# KiCad board haptic display 8x8 aisler.kicad_pcb (continued)
## Routing (per net, layer and track width the routed paths; a pad name or vN(x,y) marks a point on that pad's centre or on a via; arc(x,y) is an arc through that point) (continued)
110.61,84.02 110.3,84.06 110,84.08 109.7,84.07 109.39,84.04 109.09,83.98 108.8,83.91 108.51,83.81 108.22,83.69 107.95,83.55 107.69,83.39 107.44,83.21 107.21,83.01 106.99,82.79 106.79,82.56 106.6,82.32 106.43,82.06 106.29,81.79 106.16,81.51 106.06,81.22 105.97,80.92 105.91,80.62 105.88,80.31 105.86,80 105.87,79.69 105.9,79.38 105.96,79.08 106.03,78.78 106.13,78.48 106.26,78.2 106.4,77.92 106.56,77.66 106.74,77.4 106.95,77.17 107.16,76.94 107.4,76.74 107.65,76.55 107.91,76.38 108.19,76.23 108.47,76.1 108.77,76 109.07,75.91 109.37,75.85 109.69,75.81 110,75.8 110.3,75.81 110.6,75.84 110.89,75.89 111.19,75.96 111.47,76.05 111.75,76.16 112.02,76.3 112.28,76.45 112.53,76.62 112.77,76.8 112.99,77.01 113.2,77.23 113.39,77.46 113.57,77.71 113.72,77.97 113.86,78.24 113.98,78.52 114.08,78.8 114.16,79.1 114.21,79.39 114.25,79.7 114.26,80 114.25,80.3 114.22,80.61 114.17,80.91 114.1,81.2 114.01,81.49 113.89,81.78 113.76,82.05 113.6,82.32 113.43,82.57 113.24,82.81 113.04,83.04 112.81,83.25 112.58,83.44 112.33,83.62 112.06,83.78 111.79,83.92 111.51,84.04 111.22,84.14 110.92,84.22 110.61,84.28 110.31,84.31 110,84.33 109.69,84.32 109.38,84.29 109.08,84.23 108.78,84.16 108.48,84.07 108.2,83.95 107.92,83.81 107.65,83.66 107.39,83.48 107.15,83.29 106.92,83.08 106.71,82.85 106.51,82.61 106.33,82.36 106.17,82.09 106.02,81.82 105.9,81.53 105.8,81.23 105.72,80.93 105.66,80.62 105.63,80.31 105.61,80 105.62,79.69 105.65,79.37 105.7,79.07 105.78,78.76 105.88,78.46 105.99,78.17 106.13,77.89 106.29,77.62 106.47,77.36 106.66,77.11 106.88,76.88 107.1,76.66 107.35,76.46 107.61,76.28 107.88,76.11 108.16,75.97 108.45,75.84 108.75,75.74 109.06,75.66 109.37,75.6 109.68,75.56 110,75.55 111.45,75.55 ; 110.41,63.98 110.36,63.96 110,63.6 110,63.55 110.21,63.56 110.41,63.6 110.61,63.67 110.8,63.76 110.97,63.88 111.12,64.03 111.25,64.19 111.36,64.38 111.44,64.58 111.49,64.79 111.51,65 111.5,65.22 111.46,65.43 111.39,65.64 111.29,65.83 111.16,66.01 111.01,66.17 110.84,66.31 110.65,66.42 110.44,66.5 110.22,66.55 110,66.58 109.78,66.56 109.55,66.52 109.34,66.45 109.14,66.34 108.95,66.21 108.78,66.05 108.64,65.87 108.53,65.67 108.44,65.46 108.38,65.23 108.36,65 108.37,64.77 108.42,64.54 108.49,64.31 108.6,64.1 108.74,63.91 108.91,63.74 109.09,63.59 109.3,63.47 109.52,63.38 109.76,63.32 110,63.3 110.22,63.31 110.44,63.35 110.66,63.41 110.86,63.51 111.05,63.63 111.22,63.78 111.38,63.94 111.51,64.13 111.61,64.33 111.69,64.55 111.74,64.77 111.76,65 111.75,65.23 111.71,65.46 111.64,65.68 111.54,65.89 111.42,66.09 111.27,66.27 111.1,66.43 110.9,66.56 110.69,66.67 110.47,66.75 110.24,66.8 110,66.83 109.76,66.81 109.52,66.77 109.3,66.7 109.08,66.6 108.87,66.47 108.69,66.31 108.52,66.13 108.38,65.93 108.27,65.72 108.19,65.49 108.13,65.25 108.11,65 108.12,64.75 108.17,64.51 108.24,64.27 108.35,64.05 108.48,63.84 108.64,63.64 108.83,63.47 109.04,63.33 109.26,63.21 109.5,63.13 109.75,63.07 110,63.05 110.24,63.06 110.47,63.1 110.7,63.16 110.92,63.26 111.12,63.38 111.31,63.52 111.48,63.68 111.64,63.87 111.76,64.07 111.87,64.29 111.94,64.52 111.99,64.76 112.01,65 112,65.24 111.96,65.48 111.9,65.72 111.8,65.94 111.68,66.16 111.53,66.35 111.36,66.53 111.17,66.69 110.96,66.82 110.73,66.93 110.49,67.01 110.25,67.06 110,67.08 109.75,67.06 109.5,67.02 109.26,66.95 109.03,66.85 108.81,66.73 108.6,66.57 108.42,66.4 108.26,66.2 108.12,65.98 108.01,65.75 107.93,65.51 107.88,65.26 107.86,65 107.87,64.74 107.92,64.49 107.99,64.24 108.09,64 108.22,63.77 108.38,63.56 108.56,63.37 108.76,63.21 108.99,63.07 109.22,62.96 109.48,62.87 109.74,62.82 110,62.8 110.25,62.81 110.49,62.85 110.73,62.91 110.96,63 111.18,63.12 111.39,63.26 111.58,63.42 111.75,63.61 111.9,63.81 112.02,64.03 112.12,64.26 112.2,64.5 112.24,64.75 112.26,65 112.25,65.25 112.21,65.51 112.15,65.75 112.05,65.99 111.93,66.22 111.79,66.43 111.62,66.62 111.43,66.8 111.23,66.95 111,67.08 110.76,67.18 110.52,67.26 110.26,67.31 110,67.33 109.74,67.31 109.48,67.28 109.23,67.21 108.98,67.11 108.75,66.99 108.53,66.84 108.33,66.67 108.15,66.47 108,66.26 107.87,66.03 107.76,65.78 107.68,65.53 107.63,65.27 107.61,65 107.62,64.73 107.66,64.47 107.73,64.21 107.83,63.96 107.96,63.72 108.11,63.49 108.29,63.29 108.49,63.11 108.71,62.94 108.94,62.81 109.2,62.7 109.46,62.62 109.73,62.57 110,62.55 110.26,62.56 110.51,62.6 110.76,62.66 111,62.75 111.24,62.86 111.45,63 111.66,63.16 111.85,63.34 112.01,63.54 112.16,63.75 112.28,63.98 112.38,64.23 112.45,64.48 112.49,64.74 112.51,65 112.5,65.26 112.47,65.52 112.4,65.78 112.31,66.03 112.19,66.27 112.05,66.49 111.89,66.7 111.7,66.89 111.5,67.06 111.28,67.21 111.04,67.34 110.79,67.44 110.53,67.51 110.27,67.56 110,67.58 109.73,67.57 109.46,67.53 109.2,67.46 108.95,67.37 108.7,67.25 108.47,67.1 108.26,66.94 108.06,66.75 107.89,66.54 107.73,66.31 107.61,66.07 107.5,65.81 107.43,65.55 107.38,65.28 107.36,65 107.37,64.72 107.41,64.45 107.48,64.18 107.58,63.92 107.7,63.67 107.85,63.44 108.02,63.22 108.21,63.02 108.43,62.84 108.66,62.68 108.91,62.55 109.17,62.44 109.44,62.37 109.72,62.32 110,62.3 110.27,62.31 110.53,62.34 110.79,62.41 111.04,62.49 111.28,62.6 111.51,62.74 111.73,62.89 111.93,63.07 112.11,63.26 112.28,63.48 112.42,63.71 112.54,63.95 112.63,64.2 112.7,64.46 112.75,64.73 112.76,65 112.75,65.27 112.72,65.54 112.65,65.81 112.57,66.06 112.45,66.31 112.32,66.55 112.16,66.77 111.98,66.98 111.77,67.16 111.56,67.33 111.32,67.47 111.08,67.6 110.82,67.69 110.55,67.76 110.28,67.81 110,67.83 109.72,67.82 109.45,67.78 109.18,67.71 108.91,67.62 108.66,67.51 108.42,67.37 108.19,67.2 107.98,67.02 107.79,66.81 107.62,66.59 107.47,66.35 107.35,66.1 107.25,65.83 107.18,65.56 107.13,65.28 107.11,65 107.12,64.72 107.16,64.44 107.23,64.16 107.32,63.89 107.44,63.63 107.58,63.38 107.75,63.15 107.94,62.94 108.15,62.74 108.37,62.57 108.62,62.42 108.88,62.29 109.15,62.19 109.43,62.11 109.71,62.07 110,62.05 110.27,62.06 110.54,62.09 110.81,62.15 111.07,62.24 111.32,62.34 111.56,62.47 111.79,62.63 112.01,62.8 112.2,62.99 112.38,63.2 112.54,63.43 112.68,63.67 112.8,63.92 112.89,64.18 112.95,64.45 113,64.72 113.01,65 113,65.28 112.97,65.55 112.91,65.83 112.82,66.09 112.71,66.35 112.58,66.6 112.42,66.83 112.25,67.05 112.05,67.25 111.84,67.43 111.61,67.6 111.36,67.74 111.11,67.85 110.84,67.95 110.56,68.02 110.28,68.06 110,68.08 109.72,68.07 109.43,68.03 109.16,67.97 108.88,67.88 108.62,67.77 108.37,67.63 108.13,67.47 107.91,67.29 107.7,67.09 107.52,66.88 107.35,66.64 107.21,66.39 107.09,66.13 106.99,65.86 106.92,65.58 106.88,65.29 106.86,65 106.87,64.71 106.91,64.42 106.97,64.14 107.06,63.86 107.17,63.59 107.31,63.34 107.48,63.09 107.66,62.87 107.86,62.66 108.09,62.47 108.33,62.3 108.58,62.15 108.85,62.03 109.13,61.93 109.41,61.86 109.71,61.82 110,61.8 110.28,61.81 110.56,61.84 110.83,61.9 111.1,61.98 111.36,62.08 111.61,62.21 111.85,62.36 112.07,62.53 112.28,62.72 112.48,62.92 112.65,63.14 112.81,63.38 112.94,63.63 113.05,63.89 113.14,64.16 113.21,64.43 113.25,64.72 113.26,65 113.25,65.28 113.22,65.57 113.16,65.85 113.08,66.12 112.97,66.39 112.84,66.64 112.69,66.89 112.52,67.11 112.33,67.33 112.12,67.53 111.89,67.7 111.65,67.86 111.4,68 111.13,68.11 110.86,68.2 110.58,68.27 110.29,68.31 110,68.33 109.71,68.32 109.42,68.28 109.14,68.22 108.86,68.14 108.59,68.03 108.33,67.9 108.08,67.74 107.84,67.57 107.63,67.37 107.43,67.16 107.25,66.93 107.08,66.68 106.95,66.42 106.83,66.15 106.74,65.87 106.67,65.59 106.63,65.29 106.61,65 106.62,64.7 106.66,64.41 106.72,64.12 106.8,63.84 106.91,63.56 107.05,63.3 107.21,63.04 107.38,62.8 107.58,62.58 107.8,62.38 108.04,62.19 108.29,62.03 108.55,61.89 108.82,61.77 109.11,61.68 109.4,61.61 109.7,61.57 110,61.55 110.29,61.56 110.57,61.59 110.85,61.65 111.12,61.72 111.39,61.83 111.65,61.95 111.9,62.09 112.14,62.26 112.36,62.44 112.56,62.64 112.75,62.86 112.92,63.09 113.07,63.34 113.2,63.6 113.31,63.86 113.4,64.14 113.46,64.42 113.5,64.71 113.51,65 113.5,65.29 113.47,65.58 113.41,65.86 113.33,66.14 113.23,66.42 113.11,66.68 112.96,66.93 112.79,67.17 112.61,67.4 112.4,67.61 112.18,67.8 111.94,67.97 111.69,68.13 111.43,68.26 111.16,68.37 110.88,68.46 110.59,68.52 110.29,68.56 110,68.58 109.7,68.57 109.41,68.53 109.12,68.48 108.83,68.39 108.56,68.29 108.29,68.16 108.03,68.01 107.79,67.84 107.56,67.65 107.35,67.44 107.15,67.22 106.97,66.98 106.82,66.72 106.68,66.45 106.57,66.18 106.48,65.89 106.42,65.6 106.38,65.3 106.36,65 106.37,64.7 106.41,64.4 106.46,64.1 106.55,63.81 106.65,63.53 106.78,63.26 106.94,63 107.11,62.75 107.3,62.52 107.51,62.3 107.74,62.1 107.99,61.92 108.25,61.76 108.52,61.63 108.8,61.51 109.09,61.42 109.39,61.36 109.69,61.32 110,61.3 110.29,61.31 110.58,61.34 110.87,61.39 111.15,61.47 111.42,61.57 111.69,61.69 111.94,61.83 112.19,61.99 112.42,62.17 112.64,62.36 112.84,62.57 113.02,62.8 113.19,63.05 113.34,63.3 113.46,63.57 113.57,63.84 113.65,64.12 113.71,64.41 113.75,64.71 113.76,65 113.75,65.3 113.72,65.59 113.67,65.88 113.59,66.17 113.49,66.45 113.37,66.72 113.23,66.98 113.06,67.23 112.88,67.46 112.68,67.68 112.47,67.89 112.23,68.07 111.99,68.24 111.73,68.39 111.46,68.52 111.18,68.63 110.89,68.71 110.6,68.77 110.3,68.81 110,68.83 109.7,68.82 109.4,68.78 109.1,68.73 108.81,68.65 108.53,68.55 108.25,68.42 107.99,68.28 107.74,68.11 107.5,67.93 107.27,67.73 107.07,67.51 106.88,67.27 106.7,67.02 106.55,66.76 106.42,66.48 106.31,66.2 106.23,65.91 106.17,65.61 106.13,65.3 106.11,65 106.12,64.69 106.15,64.39 106.21,64.09 106.29,63.79 106.39,63.51 106.52,63.23 106.67,62.96 106.83,62.7 107.02,62.46 107.23,62.23 107.45,62.02 107.69,61.82 107.95,61.65 108.22,61.5 108.49,61.37 108.78,61.26 109.08,61.17 109.38,61.1 109.69,61.07 110,61.05 110.3,61.06 110.59,61.09 110.88,61.14 111.17,61.21 111.45,61.31 111.72,61.43 111.99,61.56 112.24,61.72 112.48,61.89 112.71,62.08 112.92,62.29 113.12,62.51 113.3,62.75 113.46,63 113.6,63.27 113.72,63.54 113.82,63.82 113.9,64.11 113.96,64.4 114,64.7 114.01,65 114,65.3 113.97,65.6 113.92,65.89 113.85,66.19 113.75,66.47 113.63,66.75 113.49,67.02 113.33,67.27 113.16,67.52 112.96,67.75 112.75,67.97 112.52,68.17 112.28,68.35 112.03,68.51 111.76,68.66 111.48,68.78 111.2,68.88 110.9,68.96 110.61,69.02 110.3,69.06 110,69.08 109.7,69.07 109.39,69.04 109.09,68.98 108.8,68.91 108.51,68.81 108.22,68.69 107.95,68.55 107.69,68.39 107.44,68.21 107.21,68.01 106.99,67.79 106.79,67.56 106.6,67.32 106.43,67.06 106.29,66.79 106.16,66.51 106.06,66.22 105.97,65.92 105.91,65.62 105.88,65.31 105.86,65 105.87,64.69 105.9,64.38 105.96,64.08 106.03,63.78 106.13,63.48 106.26,63.2 106.4,62.92 106.56,62.66 106.74,62.4 106.95,62.17 107.16,61.94 107.4,61.74 107.65,61.55 107.91,61.38 108.19,61.23 108.47,61.1 108.77,61 109.07,60.91 109.37,60.85 109.69,60.81 110,60.8 110.3,60.81 110.6,60.84 110.89,60.89 111.19,60.96 111.47,61.05 111.75,61.16 112.02,61.3 112.28,61.45 112.53,61.62 112.77,61.8 112.99,62.01 113.2,62.23 113.39,62.46 113.57,62.71 113.72,62.97 113.86,63.24 113.98,63.52 114.08,63.8 114.16,64.1 114.21,64.39 114.25,64.7 114.26,65 114.25,65.3 114.22,65.61 114.17,65.91 114.1,66.2 114.01,66.49 113.89,66.78 113.76,67.05 113.6,67.32 113.43,67.57 113.24,67.81 113.04,68.04 112.81,68.25 112.58,68.44 112.33,68.62 112.06,68.78 111.79,68.92 111.51,69.04 111.22,69.14 110.92,69.22 110.61,69.28 110.31,69.31 110,69.33 109.69,69.32 109.38,69.29 109.08,69.23 108.78,69.16 108.48,69.07 108.2,68.95 107.92,68.81 107.65,68.66 107.39,68.48 107.15,68.29 106.92,68.08 106.71,67.85 106.51,67.61 106.33,67.36 106.17,67.09 106.02,66.82 105.9,66.53 105.8,66.23 105.72,65.93 105.66,65.62 105.63,65.31 105.61,65 105.62,64.69 105.65,64.37 105.7,64.07 105.78,63.76 105.88,63.46 105.99,63.17 106.13,62.89 106.29,62.62 106.47,62.36 106.66,62.11 106.88,61.88 107.1,61.66 107.35,61.46 107.61,61.28 107.88,61.11 108.16,60.97 108.45,60.84 108.75,60.74 109.06,60.66 109.37,60.6 109.68,60.56 110,60.55 111.45,60.55 ; 110.41,48.98 110.36,48.96 110,48.6 110,48.55 110.21,48.56 110.41,48.6 110.61,48.67 110.8,48.76 110.97,48.88 111.12,49.03 111.25,49.19 111.36,49.38 111.44,49.58 111.49,49.79 111.51,50 111.5,50.22 111.46,50.43 111.39,50.64 111.29,50.83 111.16,51.01 111.01,51.17 110.84,51.31 110.65,51.42 110.44,51.5 110.22,51.55 110,51.58 109.78,51.56 109.55,51.52 109.34,51.45 109.14,51.34 108.95,51.21 108.78,51.05 108.64,50.87 108.53,50.67 108.44,50.46 108.38,50.23 108.36,50 108.37,49.77 108.42,49.54 108.49,49.31 108.6,49.1 108.74,48.91 108.91,48.74 109.09,48.59 109.3,48.47 109.52,48.38 109.76,48.32 110,48.3 110.22,48.31 110.44,48.35 110.66,48.41 110.86,48.51 111.05,48.63 111.22,48.78 111.38,48.94 111.51,49.13 111.61,49.33 111.69,49.55 111.74,49.77 111.76,50 111.75,50.23 111.71,50.46 111.64,50.68 111.54,50.89 111.42,51.09 111.27,51.27 111.1,51.43 110.9,51.56 110.69,51.67 110.47,51.75 110.24,51.8 110,51.83 109.76,51.81 109.52,51.77 109.3,51.7 109.08,51.6 108.87,51.47 108.69,51.31 108.52,51.13 108.38,50.93 108.27,50.72 108.19,50.49 108.13,50.25 108.11,50 108.12,49.75 108.17,49.51 108.24,49.27 108.35,49.05 108.48,48.84 108.64,48.64 108.83,48.47 109.04,48.33 109.26,48.21 109.5,48.13 109.75,48.07 110,48.05 110.24,48.06 110.47,48.1 110.7,48.16 110.92,48.26 111.12,48.38 111.31,48.52 111.48,48.68 111.64,48.87 111.76,49.07 111.87,49.29 111.94,49.52 111.99,49.76 112.01,50 112,50.24 111.96,50.48 111.9,50.72 111.8,50.94 111.68,51.16 111.53,51.35 111.36,51.53 111.17,51.69 110.96,51.82 110.73,51.93 110.49,52.01 110.25,52.06 110,52.08 109.75,52.06 109.5,52.02 109.26,51.95 109.03,51.85 108.81,51.73 108.6,51.57 108.42,51.4 108.26,51.2 108.12,50.98 108.01,50.75 107.93,50.51 107.88,50.26 107.86,50 107.87,49.74 107.92,49.49 107.99,49.24 108.09,49 108.22,48.77 108.38,48.56 108.56,48.37 108.76,48.21 108.99,48.07 109.22,47.96 109.48,47.87 109.74,47.82 110,47.8 110.25,47.81 110.49,47.85 110.73,47.91 110.96,48 111.18,48.12 111.39,48.26 111.58,48.42 111.75,48.61 111.9,48.81 112.02,49.03 112.12,49.26 112.2,49.5 112.24,49.75 112.26,50 112.25,50.25 112.21,50.51 112.15,50.75 112.05,50.99 111.93,51.22 111.79,51.43 111.62,51.62 111.43,51.8 111.23,51.95 111,52.08 110.76,52.18 110.52,52.26 110.26,52.31 110,52.33 109.74,52.31 109.48,52.28 109.23,52.21 108.98,52.11 108.75,51.99 108.53,51.84 108.33,51.67 108.15,51.47 108,51.26 107.87,51.03 107.76,50.78 107.68,50.53 107.63,50.27 107.61,50 107.62,49.73 107.66,49.47 107.73,49.21 107.83,48.96 107.96,48.72 108.11,48.49 108.29,48.29 108.49,48.11 108.71,47.94 108.94,47.81 109.2,47.7 109.46,47.62 109.73,47.57 110,47.55 110.26,47.56 110.51,47.6 110.76,47.66 111,47.75 111.24,47.86 111.45,48 111.66,48.16 111.85,48.34 112.01,48.54 112.16,48.75 112.28,48.98 112.38,49.23 112.45,49.48 112.49,49.74 112.51,50 112.5,50.26 112.47,50.52 112.4,50.78 112.31,51.03 112.19,51.27 112.05,51.49 111.89,51.7 111.7,51.89 111.5,52.06 111.28,52.21 111.04,52.34 110.79,52.44 110.53,52.51 110.27,52.56 110,52.58 109.73,52.57 109.46,52.53 109.2,52.46 108.95,52.37 108.7,52.25 108.47,52.1 108.26,51.94 108.06,51.75 107.89,51.54 107.73,51.31 107.61,51.07 107.5,50.81 107.43,50.55 107.38,50.28 107.36,50 107.37,49.72 107.41,49.45 107.48,49.18 107.58,48.92 107.7,48.67 107.85,48.44 108.02,48.22 108.21,48.02 108.43,47.84 108.66,47.68 108.91,47.55 109.17,47.44 109.44,47.37 109.72,47.32 110,47.3 110.27,47.31 110.53,47.34 110.79,47.41 111.04,47.49 111.28,47.6 111.51,47.74 111.73,47.89 111.93,48.07 112.11,48.26 112.28,48.48 112.42,48.71 112.54,48.95 112.63,49.2 112.7,49.46 112.75,49.73 112.76,50 112.75,50.27 112.72,50.54 112.65,50.81 112.57,51.06 112.45,51.31 112.32,51.55 112.16,51.77 111.98,51.98 111.77,52.16 111.56,52.33 111.32,52.47 111.08,52.6 110.82,52.69 110.55,52.76 110.28,52.81 110,52.83 109.72,52.82 109.45,52.78 109.18,52.71 108.91,52.62 108.66,52.51 108.42,52.37 108.19,52.2 107.98,52.02 107.79,51.81 107.62,51.59 107.47,51.35 107.35,51.1 107.25,50.83 107.18,50.56 107.13,50.28 107.11,50 107.12,49.72 107.16,49.44 107.23,49.16 107.32,48.89 107.44,48.63 107.58,48.38 107.75,48.15 107.94,47.94 108.15,47.74 108.37,47.57 108.62,47.42 108.88,47.29 109.15,47.19 109.43,47.11 109.71,47.07 110,47.05 110.27,47.06 110.54,47.09 110.81,47.15 111.07,47.24 111.32,47.34 111.56,47.47 111.79,47.63 112.01,47.8 112.2,47.99 112.38,48.2 112.54,48.43 112.68,48.67 112.8,48.92 112.89,49.18 112.95,49.45 113,49.72 113.01,50 113,50.28 112.97,50.55 112.91,50.83 112.82,51.09 112.71,51.35 112.58,51.6 112.42,51.83 112.25,52.05 112.05,52.25 111.84,52.43 111.61,52.6 111.36,52.74 111.11,52.85 110.84,52.95 110.56,53.02 110.28,53.06 110,53.08 109.72,53.07 109.43,53.03 109.16,52.97 108.88,52.88 108.62,52.77 108.37,52.63 108.13,52.47 107.91,52.29 107.7,52.09 107.52,51.88 107.35,51.64 107.21,51.39 107.09,51.13 106.99,50.86 106.92,50.58 106.88,50.29 106.86,50 106.87,49.71 106.91,49.42 106.97,49.14 107.06,48.86 107.17,48.59 107.31,48.34 107.48,48.09 107.66,47.87 107.86,47.66 108.09,47.47 108.33,47.3 108.58,47.15 108.85,47.03 109.13,46.93 109.41,46.86 109.71,46.82 110,46.8 110.28,46.81 110.56,46.84 110.83,46.9 111.1,46.98 111.36,47.08 111.61,47.21 111.85,47.36 112.07,47.53 112.28,47.72 112.48,47.92 112.65,48.14 112.81,48.38 112.94,48.63 113.05,48.89 113.14,49.16 113.21,49.43 113.25,49.72 113.26,50 113.25,50.28 113.22,50.57 113.16,50.85 113.08,51.12 112.97,51.39 112.84,51.64 112.69,51.89 112.52,52.11 112.33,52.33 112.12,52.53 111.89,52.7 111.65,52.86 111.4,53 111.13,53.11 110.86,53.2 110.58,53.27 110.29,53.31 110,53.33 109.71,53.32 109.42,53.28 109.14,53.22 108.86,53.14 108.59,53.03 108.33,52.9 108.08,52.74 107.84,52.57 107.63,52.37 107.43,52.16 107.25,51.93 107.08,51.68 106.95,51.42 106.83,51.15 106.74,50.87 106.67,50.59 106.63,50.29 106.61,50 106.62,49.7 106.66,49.41 106.72,49.12 106.8,48.84 106.91,48.56 107.05,48.3 107.21,48.04 107.38,47.8 107.58,47.58 107.8,47.38 108.04,47.19 108.29,47.03 108.55,46.89 108.82,46.77 109.11,46.68 109.4,46.61 109.7,46.57 110,46.55 110.29,46.56 110.57,46.59 110.85,46.65 111.12,46.72 111.39,46.83 111.65,46.95 111.9,47.09 112.14,47.26 112.36,47.44 112.56,47.64 112.75,47.86 112.92,48.09 113.07,48.34 113.2,48.6 113.31,48.86 113.4,49.14 113.46,49.42 113.5,49.71 113.51,50 113.5,50.29 113.47,50.58 113.41,50.86 113.33,51.14 113.23,51.42 113.11,51.68 112.96,51.93 112.79,52.17 112.61,52.4 112.4,52.61 112.18,52.8 111.94,52.97 111.69,53.13 111.43,53.26 111.16,53.37 110.88,53.46 110.59,53.52 110.29,53.56 110,53.58 109.7,53.57 109.41,53.53 109.12,53.48 108.83,53.39 108.56,53.29 108.29,53.16 108.03,53.01 107.79,52.84 107.56,52.65 107.35,52.44 107.15,52.22 106.97,51.98 106.82,51.72 106.68,51.45 106.57,51.18 106.48,50.89 106.42,50.6 106.38,50.3 106.36,50 106.37,49.7 106.41,49.4 106.46,49.1 106.55,48.81 106.65,48.53 106.78,48.26 106.94,48 107.11,47.75 107.3,47.52 107.51,47.3 107.74,47.1 107.99,46.92 108.25,46.76 108.52,46.63 108.8,46.51 109.09,46.42 109.39,46.36 109.69,46.32 110,46.3 110.29,46.31 110.58,46.34 110.87,46.39 111.15,46.47 111.42,46.57 111.69,46.69 111.94,46.83 112.19,46.99 112.42,47.17 112.64,47.36 112.84,47.57 113.02,47.8 113.19,48.05 113.34,48.3 113.46,48.57 113.57,48.84 113.65,49.12 113.71,49.41 113.75,49.71 113.76,50 113.75,50.3 113.72,50.59 113.67,50.88 113.59,51.17 113.49,51.45 113.37,51.72 113.23,51.98 113.06,52.23 112.88,52.46 112.68,52.68 112.47,52.89 112.23,53.07 111.99,53.24 111.73,53.39 111.46,53.52 111.18,53.63 110.89,53.71 110.6,53.77 110.3,53.81 110,53.83 109.7,53.82 109.4,53.78 109.1,53.73 108.81,53.65 108.53,53.55 108.25,53.42 107.99,53.28 107.74,53.11 107.5,52.93 107.27,52.73 107.07,52.51 106.88,52.27 106.7,52.02 106.55,51.76 106.42,51.48 106.31,51.2 106.23,50.91 106.17,50.61 106.13,50.3 106.11,50 106.12,49.69 106.15,49.39 106.21,49.09 106.29,48.79 106.39,48.51 106.52,48.23 106.67,47.96 106.83,47.7 107.02,47.46 107.23,47.23 107.45,47.02 107.69,46.82 107.95,46.65 108.22,46.5 108.49,46.37 108.78,46.26 109.08,46.17 109.38,46.1 109.69,46.07 110,46.05 110.3,46.06 110.59,46.09 110.88,46.14 111.17,46.21 111.45,46.31 111.72,46.43 111.99,46.56 112.24,46.72 112.48,46.89 112.71,47.08 112.92,47.29 113.12,47.51 113.3,47.75 113.46,48 113.6,48.27 113.72,48.54 113.82,48.82 113.9,49.11 113.96,49.4 114,49.7 114.01,50 114,50.3 113.97,50.6 113.92,50.89 113.85,51.19 113.75,51.47 113.63,51.75 113.49,52.02 113.33,52.27 113.16,52.52 112.96,52.75 112.75,52.97 112.52,53.17 112.28,53.35 112.03,53.51 111.76,53.66 111.48,53.78 111.2,53.88 110.9,53.96 110.61,54.02 110.3,54.06 110,54.08 109.7,54.07 109.39,54.04 109.09,53.98 108.8,53.91 108.51,53.81 108.22,53.69 107.95,53.55 107.69,53.39 107.44,53.21 107.21,53.01 106.99,52.79 106.79,52.56 106.6,52.32 106.43,52.06 106.29,51.79 106.16,51.51 106.06,51.22 105.97,50.92 105.91,50.62 105.88,50.31 105.86,50 105.87,49.69 105.9,49.38 105.96,49.08 106.03,48.78 106.13,48.48 106.26,48.2 106.4,47.92 106.56,47.66 106.74,47.4 106.95,47.17 107.16,46.94 107.4,46.74 107.65,46.55 107.91,46.38 108.19,46.23 108.47,46.1 108.77,46 109.07,45.91 109.37,45.85 109.69,45.81 110,45.8 110.3,45.81 110.6,45.84 110.89,45.89 111.19,45.96 111.47,46.05 111.75,46.16 112.02,46.3 112.28,46.45 112.53,46.62 112.77,46.8 112.99,47.01 113.2,47.23 113.39,47.46 113.57,47.71 113.72,47.97 113.86,48.24 113.98,48.52 114.08,48.8 114.16,49.1 114.21,49.39 114.25,49.7 114.26,50 114.25,50.3 114.22,50.61 114.17,50.91 114.1,51.2 114.01,51.49 113.89,51.78 113.76,52.05 113.6,52.32 113.43,52.57 113.24,52.81 113.04,53.04 112.81,53.25 112.58,53.44 112.33,53.62 112.06,53.78 111.79,53.92 111.51,54.04 111.22,54.14 110.92,54.22 110.61,54.28 110.31,54.31 110,54.33 109.69,54.32 109.38,54.29 109.08,54.23 108.78,54.16 108.48,54.07 108.2,53.95 107.92,53.81 107.65,53.66 107.39,53.48 107.15,53.29 106.92,53.08 106.71,52.85 106.51,52.61 106.33,52.36 106.17,52.09 106.02,51.82 105.9,51.53 105.8,51.23 105.72,50.93 105.66,50.62 105.63,50.31 105.61,50 105.62,49.69 105.65,49.37 105.7,49.07 105.78,48.76 105.88,48.46 105.99,48.17 106.13,47.89 106.29,47.62 106.47,47.36 106.66,47.11 106.88,46.88 107.1,46.66 107.35,46.46 107.61,46.28 107.88,46.11 108.16,45.97 108.45,45.84 108.75,45.74 109.06,45.66 109.37,45.6 109.68,45.56 110,45.55 111.45,45.55 ; 110.41,33.98 110.36,33.96 110,33.6 110,33.55 110.21,33.56 110.41,33.6 110.61,33.67 110.8,33.76 110.97,33.88 111.12,34.03 111.25,34.19 111.36,34.38 111.44,34.58 111.49,34.79 111.51,35 111.5,35.22 111.46,35.43 111.39,35.64 111.29,35.83 111.16,36.01 111.01,36.17 110.84,36.31 110.65,36.42 110.44,36.5 110.22,36.55 110,36.57 109.78,36.56 109.55,36.52 109.34,36.45 109.14,36.34 108.95,36.21 108.78,36.05 108.64,35.87 108.53,35.67 108.44,35.46 108.38,35.23 108.36,35 108.37,34.77 108.42,34.54 108.49,34.31 108.6,34.1 108.74,33.91 108.91,33.74 109.09,33.59 109.3,33.47 109.52,33.38 109.76,33.32 110,33.3 110.22,33.31 110.44,33.35 110.66,33.41 110.86,33.51 111.05,33.63 111.22,33.78 111.38,33.94 111.51,34.13 111.61,34.33 111.69,34.55 111.74,34.77 111.76,35 111.75,35.23 111.71,35.46 111.64,35.68 111.54,35.89 111.42,36.09 111.27,36.27 111.1,36.43 110.9,36.56 110.69,36.67 110.47,36.75 110.24,36.8 110,36.82 109.76,36.81 109.52,36.77 109.3,36.7 109.08,36.6 108.87,36.47 108.69,36.31 108.52,36.13 108.38,35.93 108.27,35.72 108.19,35.49 108.13,35.25 108.11,35 108.12,34.75 108.17,34.51 108.24,34.27 108.35,34.05 108.48,33.84 108.64,33.64 108.83,33.47 109.04,33.33 109.26,33.21 109.5,33.13 109.75,33.07 110,33.05 110.24,33.06 110.47,33.1 110.7,33.16 110.92,33.26 111.12,33.38 111.31,33.52 111.48,33.68 111.64,33.87 111.76,34.07 111.87,34.29 111.94,34.52 111.99,34.76 112.01,35 112,35.24 111.96,35.48 111.9,35.72 111.8,35.94 111.68,36.16 111.53,36.35 111.36,36.53 111.17,36.69 110.96,36.82 110.73,36.93 110.49,37.01 110.25,37.06 110,37.07 109.75,37.06 109.5,37.02 109.26,36.95 109.03,36.85 108.81,36.73 108.6,36.57 108.42,36.4 108.26,36.2 108.12,35.98 108.01,35.75 107.93,35.51 107.88,35.26 107.86,35 107.87,34.74 107.92,34.49 107.99,34.24 108.09,34 108.22,33.77 108.38,33.56 108.56,33.37 108.76,33.21 108.99,33.07 109.22,32.96 109.48,32.87 109.74,32.82 110,32.8 110.25,32.81 110.49,32.85 110.73,32.91 110.96,33 111.18,33.12 111.39,33.26 111.58,33.42 111.75,33.61 111.9,33.81 112.02,34.03 112.12,34.26 112.2,34.5 112.24,34.75 112.26,35 112.25,35.25 112.21,35.51 112.15,35.75 112.05,35.99 111.93,36.22 111.79,36.43 111.62,36.62 111.43,36.8 111.23,36.95 111,37.08 110.76,37.18 110.52,37.26 110.26,37.31 110,37.32 109.74,37.31 109.48,37.28 109.23,37.21 108.98,37.11 108.75,36.99 108.53,36.84 108.33,36.67 108.15,36.47 108,36.26 107.87,36.03 107.76,35.78 107.68,35.53 107.63,35.27 107.61,35 107.62,34.73 107.66,34.47 107.73,34.21 107.83,33.96 107.96,33.72 108.11,33.49 108.29,33.29 108.49,33.11 108.71,32.94 108.94,32.81 109.2,32.7 109.46,32.62 109.73,32.57 110,32.55 110.26,32.56 110.51,32.6 110.76,32.66 111,32.75 111.24,32.86 111.45,33 111.66,33.16 111.85,33.34 112.01,33.54 112.16,33.75 112.28,33.98 112.38,34.23 112.45,34.48 112.49,34.74 112.51,35 112.5,35.26 112.47,35.52 112.4,35.78 112.31,36.03 112.19,36.27 112.05,36.49 111.89,36.7 111.7,36.89 111.5,37.06 111.28,37.21 111.04,37.34 110.79,37.44 110.53,37.51 110.27,37.56 110,37.57 109.73,37.57 109.46,37.53 109.2,37.46 108.95,37.37 108.7,37.25 108.47,37.1 108.26,36.94 108.06,36.75 107.89,36.54 107.73,36.31 107.61,36.07 107.5,35.81 107.43,35.55 107.38,35.28 107.36,35 107.37,34.72 107.41,34.45 107.48,34.18 107.58,33.92 107.7,33.67 107.85,33.44 108.02,33.22 108.21,33.02 108.43,32.84 108.66,32.68 108.91,32.55 109.17,32.44 109.44,32.37 109.72,32.32 110,32.3 110.27,32.31 110.53,32.34 110.79,32.41 111.04,32.49 111.28,32.6 111.51,32.74 111.73,32.89 111.93,33.07 112.11,33.26 112.28,33.48 112.42,33.71 112.54,33.95 112.63,34.2 112.7,34.46 112.75,34.73 112.76,35 112.75,35.27 112.72,35.54 112.65,35.81 112.57,36.06 112.45,36.31 112.32,36.55 112.16,36.77 111.98,36.98 111.77,37.16 111.56,37.33 111.32,37.47 111.08,37.6 110.82,37.69 110.55,37.76 110.28,37.81 110,37.82 109.72,37.82 109.45,37.78 109.18,37.71 108.91,37.62 108.66,37.51 108.42,37.37 108.19,37.2 107.98,37.02 107.79,36.81 107.62,36.59 107.47,36.35 107.35,36.1 107.25,35.83 107.18,35.56 107.13,35.28 107.11,35 107.12,34.72 107.16,34.44 107.23,34.16 107.32,33.89 107.44,33.63 107.58,33.38 107.75,33.15 107.94,32.94 108.15,32.74 108.37,32.57 108.62,32.42 108.88,32.29 109.15,32.19 109.43,32.11 109.71,32.07 110,32.05 110.27,32.06 110.54,32.09 110.81,32.15 111.07,32.24 111.32,32.34 111.56,32.47 111.79,32.63 112.01,32.8 112.2,32.99 112.38,33.2 112.54,33.43 112.68,33.67 112.8,33.92 112.89,34.18 112.95,34.45 113,34.72 113.01,35 113,35.28 112.97,35.55 112.91,35.83 112.82,36.09 112.71,36.35 112.58,36.6 112.42,36.83 112.25,37.05 112.05,37.25 111.84,37.43 111.61,37.6 111.36,37.74 111.11,37.85 110.84,37.95 110.56,38.02 110.28,38.06 110,38.07 109.72,38.07 109.43,38.03 109.16,37.97 108.88,37.88 108.62,37.77 108.37,37.63 108.13,37.47 107.91,37.29 107.7,37.09 107.52,36.88 107.35,36.64 107.21,36.39 107.09,36.13 106.99,35.86 106.92,35.58 106.88,35.29 106.86,35 106.87,34.71 106.91,34.42 106.97,34.14 107.06,33.86 107.17,33.59 107.31,33.34 107.48,33.09 107.66,32.87 107.86,32.66 108.09,32.47 108.33,32.3 108.58,32.15 108.85,32.03 109.13,31.93 109.41,31.86 109.71,31.82 110,31.8 110.28,31.81 110.56,31.84 110.83,31.9 111.1,31.98 111.36,32.08 111.61,32.21 111.85,32.36 112.07,32.53 112.28,32.72 112.48,32.92 112.65,33.14 112.81,33.38 112.94,33.63 113.05,33.89 113.14,34.16 113.21,34.43 113.25,34.72 113.26,35 113.25,35.28 113.22,35.57 113.16,35.85 113.08,36.12 112.97,36.39 112.84,36.64 112.69,36.89 112.52,37.11 112.33,37.33 112.12,37.53 111.89,37.7 111.65,37.86 111.4,38 111.13,38.11 110.86,38.2 110.58,38.27 110.29,38.31 110,38.32 109.71,38.32 109.42,38.28 109.14,38.22 108.86,38.14 108.59,38.03 108.33,37.9 108.08,37.74 107.84,37.57 107.63,37.37 107.43,37.16 107.25,36.93 107.08,36.68 106.95,36.42 106.83,36.15 106.74,35.87 106.67,35.59 106.63,35.29 106.61,35 106.62,34.7 106.66,34.41 106.72,34.12 106.8,33.84 106.91,33.56 107.05,33.3 107.21,33.04 107.38,32.8 107.58,32.58 107.8,32.38 108.04,32.19 108.29,32.03 108.55,31.89 108.82,31.77 109.11,31.68 109.4,31.61 109.7,31.57 110,31.55 110.29,31.56 110.57,31.59 110.85,31.65 111.12,31.72 111.39,31.83 111.65,31.95 111.9,32.09 112.14,32.26 112.36,32.44 112.56,32.64 112.75,32.86 112.92,33.09 113.07,33.34 113.2,33.6 113.31,33.86 113.4,34.14 113.46,34.42 113.5,34.71 113.51,35 113.5,35.29 113.47,35.58 113.41,35.86 113.33,36.14 113.23,36.42 113.11,36.68 112.96,36.93 112.79,37.17 112.61,37.4 112.4,37.61 112.18,37.8 111.94,37.97 111.69,38.13 111.43,38.26 111.16,38.37 110.88,38.46 110.59,38.52 110.29,38.56 110,38.57 109.7,38.57 109.41,38.53 109.12,38.48 108.83,38.39 108.56,38.29 108.29,38.16 108.03,38.01 107.79,37.84 107.56,37.65 107.35,37.44 107.15,37.22 106.97,36.98 106.82,36.72 106.68,36.45 106.57,36.18 106.48,35.89 106.42,35.6 106.38,35.3 106.36,35 106.37,34.7 106.41,34.4 106.46,34.1 106.55,33.81 106.65,33.53 106.78,33.26 106.94,33 107.11,32.75 107.3,32.52 107.51,32.3 107.74,32.1 107.99,31.92 108.25,31.76 108.52,31.63 108.8,31.51 109.09,31.42 109.39,31.36 109.69,31.32 110,31.3 110.29,31.31 110.58,31.34 110.87,31.39 111.15,31.47 111.42,31.57 111.69,31.69 111.94,31.83 112.19,31.99 112.42,32.17 112.64,32.36 112.84,32.57 113.02,32.8 113.19,33.05 113.34,33.3 113.46,33.57 113.57,33.84 113.65,34.12 113.71,34.41 113.75,34.71 113.76,35 113.75,35.3 113.72,35.59 113.67,35.88 113.59,36.17 113.49,36.45 113.37,36.72 113.23,36.98 113.06,37.23 112.88,37.46 112.68,37.68 112.47,37.89 112.23,38.07 111.99,38.24 111.73,38.39 111.46,38.52 111.18,38.63 110.89,38.71 110.6,38.77 110.3,38.81 110,38.82 109.7,38.82 109.4,38.78 109.1,38.73 108.81,38.65 108.53,38.55 108.25,38.42 107.99,38.28 107.74,38.11 107.5,37.93 107.27,37.73 107.07,37.51 106.88,37.27 106.7,37.02 106.55,36.76 106.42,36.48 106.31,36.2 106.23,35.91 106.17,35.61 106.13,35.3 106.11,35 106.12,34.69 106.15,34.39 106.21,34.09 106.29,33.79 106.39,33.51 106.52,33.23 106.67,32.96 106.83,32.7 107.02,32.46 107.23,32.23 107.45,32.02 107.69,31.82 107.95,31.65 108.22,31.5 108.49,31.37 108.78,31.26 109.08,31.17 109.38,31.1 109.69,31.07 110,31.05 110.3,31.06 110.59,31.09 110.88,31.14 111.17,31.21 111.45,31.31 111.72,31.43 111.99,31.56 112.24,31.72 112.48,31.89 112.71,32.08 112.92,32.29 113.12,32.51 113.3,32.75 113.46,33 113.6,33.27 113.72,33.54 113.82,33.82 113.9,34.11 113.96,34.4 114,34.7 114.01,35 114,35.3 113.97,35.6 113.92,35.89 113.85,36.19 113.75,36.47 113.63,36.75 113.49,37.02 113.33,37.27 113.16,37.52 112.96,37.75 112.75,37.97 112.52,38.17 112.28,38.35 112.03,38.51 111.76,38.66 111.48,38.78 111.2,38.88 110.9,38.96 110.61,39.02 110.3,39.06 110,39.07 109.7,39.07 109.39,39.04 109.09,38.98 108.8,38.91 108.51,38.81 108.22,38.69 107.95,38.55 107.69,38.39 107.44,38.21 107.21,38.01 106.99,37.79 106.79,37.56 106.6,37.32 106.43,37.06 106.29,36.79 106.16,36.51 106.06,36.22 105.97,35.92 105.91,35.62 105.88,35.31 105.86,35 105.87,34.69 105.9,34.38 105.96,34.08 106.03,33.78 106.13,33.48 106.26,33.2 106.4,32.92 106.56,32.66 106.74,32.4 106.95,32.17 107.16,31.94 107.4,31.74 107.65,31.55 107.91,31.38 108.19,31.23 108.47,31.1 108.77,31 109.07,30.91 109.37,30.85 109.69,30.81 110,30.8 110.3,30.81 110.6,30.84 110.89,30.89 111.19,30.96 111.47,31.05 111.75,31.16 112.02,31.3 112.28,31.45 112.53,31.62 112.77,31.8 112.99,32.01 113.2,32.23 113.39,32.46 113.57,32.71 113.72,32.97 113.86,33.24 113.98,33.52 114.08,33.8 114.16,34.1 114.21,34.39 114.25,34.7 114.26,35 114.25,35.3 114.22,35.61 114.17,35.91 114.1,36.2 114.01,36.49 113.89,36.78 113.76,37.05 113.6,37.32 113.43,37.57 113.24,37.81 113.04,38.04 112.81,38.25 112.58,38.44 112.33,38.62 112.06,38.78 111.79,38.92 111.51,39.04 111.22,39.14 110.92,39.22 110.61,39.28 110.31,39.31 110,39.32 109.69,39.32 109.38,39.29 109.08,39.23 108.78,39.16 108.48,39.07 108.2,38.95 107.92,38.81 107.65,38.66 107.39,38.48 107.15,38.29 106.92,38.08 106.71,37.85 106.51,37.61 106.33,37.36 106.17,37.09 106.02,36.82 105.9,36.53 105.8,36.23 105.72,35.93 105.66,35.62 105.63,35.31 105.61,35 105.62,34.69 105.65,34.37 105.7,34.07 105.78,33.76 105.88,33.46 105.99,33.17 106.13,32.89 106.29,32.62 106.47,32.36 106.66,32.11 106.88,31.88 107.1,31.66 107.35,31.46 107.61,31.28 107.88,31.11 108.16,30.97 108.45,30.84 108.75,30.74 109.06,30.66 109.37,30.6 109.68,30.56 110,30.55 111.45,30.55 ; 110.41,18.98 110.36,18.96 110,18.6 110,18.55 110.21,18.56 110.41,18.6 110.61,18.67 110.8,18.76 110.97,18.88 111.12,19.03 111.25,19.19 111.36,19.38 111.44,19.58 111.49,19.79 111.51,20 111.5,20.22 111.46,20.43 111.39,20.64 111.29,20.83 111.16,21.01 111.01,21.17 110.84,21.31 110.65,21.42 110.44,21.5 110.22,21.55 110,21.57 109.78,21.56 109.55,21.52 109.34,21.45 109.14,21.34 108.95,21.21 108.78,21.05 108.64,20.87 108.53,20.67 108.44,20.46 108.38,20.23 108.36,20 108.37,19.77 108.42,19.54 108.49,19.31 108.6,19.1 108.74,18.91 108.91,18.74 109.09,18.59 109.3,18.47 109.52,18.38 109.76,18.32 110,18.3 110.22,18.31 110.44,18.35 110.66,18.41 110.86,18.51 111.05,18.63 111.22,18.78 111.38,18.94 111.51,19.13 111.61,19.33 111.69,19.55 111.74,19.77 111.76,20 111.75,20.23 111.71,20.46 111.64,20.68 111.54,20.89 111.42,21.09 111.27,21.27 111.1,21.43 110.9,21.56 110.69,21.67 110.47,21.75 110.24,21.8 110,21.82 109.76,21.81 109.52,21.77 109.3,21.7 109.08,21.6 108.87,21.47 108.69,21.31 108.52,21.13 108.38,20.93 108.27,20.72 108.19,20.49 108.13,20.25 108.11,20 108.12,19.75 108.17,19.51 108.24,19.27 108.35,19.05 108.48,18.84 108.64,18.64 108.83,18.47 109.04,18.33 109.26,18.21 109.5,18.13 109.75,18.07 110,18.05 110.24,18.06 110.47,18.1 110.7,18.16 110.92,18.26 111.12,18.38 111.31,18.52 111.48,18.68 111.64,18.87 111.76,19.07 111.87,19.29 111.94,19.52 111.99,19.76 112.01,20 112,20.24 111.96,20.48 111.9,20.72 111.8,20.94 111.68,21.16 111.53,21.35 111.36,21.53 111.17,21.69 110.96,21.82 110.73,21.93 110.49,22.01 110.25,22.06 110,22.07 109.75,22.06 109.5,22.02 109.26,21.95 109.03,21.85 108.81,21.73 108.6,21.57 108.42,21.4 108.26,21.2 108.12,20.98 108.01,20.75 107.93,20.51 107.88,20.26 107.86,20 107.87,19.74 107.92,19.49 107.99,19.24 108.09,19 108.22,18.77 108.38,18.56 108.56,18.37 108.76,18.21 108.99,18.07 109.22,17.96 109.48,17.87 109.74,17.82 110,17.8 110.25,17.81 110.49,17.85 110.73,17.91 110.96,18 111.18,18.12 111.39,18.26 111.58,18.42 111.75,18.61 111.9,18.81 112.02,19.03 112.12,19.26 112.2,19.5 112.24,19.75 112.26,20 112.25,20.25 112.21,20.51 112.15,20.75 112.05,20.99 111.93,21.22 111.79,21.43 111.62,21.62 111.43,21.8 111.23,21.95 111,22.08 110.76,22.18 110.52,22.26 110.26,22.31 110,22.32 109.74,22.31 109.48,22.28 109.23,22.21 108.98,22.11 108.75,21.99 108.53,21.84 108.33,21.67 108.15,21.47 108,21.26 107.87,21.03 107.76,20.78 107.68,20.53 107.63,20.27 107.61,20 107.62,19.73 107.66,19.47 107.73,19.21 107.83,18.96 107.96,18.72 108.11,18.49 108.29,18.29 108.49,18.11 108.71,17.94 108.94,17.81 109.2,17.7 109.46,17.62 109.73,17.57 110,17.55 110.26,17.56 110.51,17.6 110.76,17.66 111,17.75 111.24,17.86 111.45,18 111.66,18.16 111.85,18.34 112.01,18.54 112.16,18.75 112.28,18.98 112.38,19.23 112.45,19.48 112.49,19.74 112.51,20 112.5,20.26 112.47,20.52 112.4,20.78 112.31,21.03 112.19,21.27 112.05,21.49 111.89,21.7 111.7,21.89 111.5,22.06 111.28,22.21 111.04,22.34 110.79,22.44 110.53,22.51 110.27,22.56 110,22.57 109.73,22.57 109.46,22.53 109.2,22.46 108.95,22.37 108.7,22.25 108.47,22.1 108.26,21.94 108.06,21.75 107.89,21.54 107.73,21.31 107.61,21.07 107.5,20.81 107.43,20.55 107.38,20.28 107.36,20 107.37,19.72 107.41,19.45 107.48,19.18 107.58,18.92 107.7,18.67 107.85,18.44 108.02,18.22 108.21,18.02 108.43,17.84 108.66,17.68 108.91,17.55 109.17,17.44 109.44,17.37 109.72,17.32 110,17.3 110.27,17.31 110.53,17.34 110.79,17.41 111.04,17.49 111.28,17.6 111.51,17.74 111.73,17.89 111.93,18.07 112.11,18.26 112.28,18.48 112.42,18.71 112.54,18.95 112.63,19.2 112.7,19.46 112.75,19.73 112.76,20 112.75,20.27 112.72,20.54 112.65,20.81 112.57,21.06 112.45,21.31 112.32,21.55 112.16,21.77 111.98,21.98 111.77,22.16 111.56,22.33 111.32,22.47 111.08,22.6 110.82,22.69 110.55,22.76 110.28,22.81 110,22.82 109.72,22.82 109.45,22.78 109.18,22.71 108.91,22.62 108.66,22.51 108.42,22.37 108.19,22.2 107.98,22.02 107.79,21.81 107.62,21.59 107.47,21.35 107.35,21.1 107.25,20.83 107.18,20.56 107.13,20.28 107.11,20 107.12,19.72 107.16,19.44 107.23,19.16 107.32,18.89 107.44,18.63 107.58,18.38 107.75,18.15 107.94,17.94 108.15,17.74 108.37,17.57 108.62,17.42 108.88,17.29 109.15,17.19 109.43,17.11 109.71,17.07 110,17.05 110.27,17.06 110.54,17.09 110.81,17.15 111.07,17.24 111.32,17.34 111.56,17.47 111.79,17.63 112.01,17.8 112.2,17.99 112.38,18.2 112.54,18.43 112.68,18.67 112.8,18.92 112.89,19.18 112.95,19.45 113,19.72 113.01,20 113,20.28 112.97,20.55 112.91,20.83 112.82,21.09 112.71,21.35 112.58,21.6 112.42,21.83 112.25,22.05 112.05,22.25 111.84,22.43 111.61,22.6 111.36,22.74 111.11,22.85 110.84,22.95 110.56,23.02 110.28,23.06 110,23.07 109.72,23.07 109.43,23.03 109.16,22.97 108.88,22.88 108.62,22.77 108.37,22.63 108.13,22.47 107.91,22.29 107.7,22.09 107.52,21.88 107.35,21.64 107.21,21.39 107.09,21.13 106.99,20.86 106.92,20.58 106.88,20.29 106.86,20 106.87,19.71 106.91,19.42 106.97,19.14 107.06,18.86 107.17,18.59 107.31,18.34 107.48,18.09 107.66,17.87 107.86,17.66 108.09,17.47 108.33,17.3 108.58,17.15 108.85,17.03 109.13,16.93 109.41,16.86 109.71,16.82 110,16.8 110.28,16.81 110.56,16.84 110.83,16.9 111.1,16.98 111.36,17.08 111.61,17.21 111.85,17.36 112.07,17.53 112.28,17.72 112.48,17.92 112.65,18.14 112.81,18.38 112.94,18.63 113.05,18.89 113.14,19.16 113.21,19.43 113.25,19.72 113.26,20 113.25,20.28 113.22,20.57 113.16,20.85 113.08,21.12 112.97,21.39 112.84,21.64 112.69,21.89 112.52,22.11 112.33,22.33 112.12,22.53 111.89,22.7 111.65,22.86 111.4,23 111.13,23.11 110.86,23.2 110.58,23.27 110.29,23.31 110,23.32 109.71,23.32 109.42,23.28 109.14,23.22 108.86,23.14 108.59,23.03 108.33,22.9 108.08,22.74 107.84,22.57 107.63,22.37 107.43,22.16 107.25,21.93 107.08,21.68 106.95,21.42 106.83,21.15 106.74,20.87 106.67,20.59 106.63,20.29 106.61,20 106.62,19.7 106.66,19.41 106.72,19.12 106.8,18.84 106.91,18.56 107.05,18.3 107.21,18.04 107.38,17.8 107.58,17.58 107.8,17.38 108.04,17.19 108.29,17.03 108.55,16.89 108.82,16.77 109.11,16.68 109.4,16.61 109.7,16.57 110,16.55 110.29,16.56 110.57,16.59 110.85,16.65 111.12,16.72 111.39,16.83 111.65,16.95 111.9,17.09 112.14,17.26 112.36,17.44 112.56,17.64 112.75,17.86 112.92,18.09 113.07,18.34 113.2,18.6 113.31,18.86 113.4,19.14 113.46,19.42 113.5,19.71 113.51,20 113.5,20.29 113.47,20.58 113.41,20.86 113.33,21.14 113.23,21.42 113.11,21.68 112.96,21.93 112.79,22.17 112.61,22.4 112.4,22.61 112.18,22.8 111.94,22.97 111.69,23.13 111.43,23.26 111.16,23.37 110.88,23.46 110.59,23.52 110.29,23.56 110,23.57 109.7,23.57 109.41,23.53 109.12,23.48 108.83,23.39 108.56,23.29 108.29,23.16 108.03,23.01 107.79,22.84 107.56,22.65 107.35,22.44 107.15,22.22 106.97,21.98 106.82,21.72 106.68,21.45 106.57,21.18 106.48,20.89 106.42,20.6 106.38,20.3 106.36,20 106.37,19.7 106.41,19.4 106.46,19.1 106.55,18.81 106.65,18.53 106.78,18.26 106.94,18 107.11,17.75 107.3,17.52 107.51,17.3 107.74,17.1 107.99,16.92 108.25,16.76 108.52,16.63 108.8,16.51 109.09,16.42 109.39,16.36 109.69,16.32 110,16.3 110.29,16.31 110.58,16.34 110.87,16.39 111.15,16.47 111.42,16.57 111.69,16.69 111.94,16.83 112.19,16.99 112.42,17.17 112.64,17.36 112.84,17.57 113.02,17.8 113.19,18.05 113.34,18.3 113.46,18.57 113.57,18.84 113.65,19.12 113.71,19.41 113.75,19.71 113.76,20 113.75,20.3 113.72,20.59 113.67,20.88 113.59,21.17 113.49,21.45 113.37,21.72 113.23,21.98 113.06,22.23 112.88,22.46 112.68,22.68 112.47,22.89 112.23,23.07 111.99,23.24 111.73,23.39 111.46,23.52 111.18,23.63 110.89,23.71 110.6,23.77 110.3,23.81 110,23.82 109.7,23.82 109.4,23.78 109.1,23.73 108.81,23.65 108.53,23.55 108.25,23.42 107.99,23.28 107.74,23.11 107.5,22.93 107.27,22.73 107.07,22.51 106.88,22.27 106.7,22.02 106.55,21.76 106.42,21.48 106.31,21.2 106.23,20.91 106.17,20.61 106.13,20.3 106.11,20 106.12,19.69 106.15,19.39 106.21,19.09 106.29,18.79 106.39,18.51 106.52,18.23 106.67,17.96 106.83,17.7 107.02,17.46 107.23,17.23 107.45,17.02 107.69,16.82 107.95,16.65 108.22,16.5 108.49,16.37 108.78,16.26 109.08,16.17 109.38,16.1 109.69,16.07 110,16.05 110.3,16.06 110.59,16.09 110.88,16.14 111.17,16.21 111.45,16.31 111.72,16.43 111.99,16.56 112.24,16.72 112.48,16.89 112.71,17.08 112.92,17.29 113.12,17.51 113.3,17.75 113.46,18 113.6,18.27 113.72,18.54 113.82,18.82 113.9,19.11 113.96,19.4 114,19.7 114.01,20 114,20.3 113.97,20.6 113.92,20.89 113.85,21.19 113.75,21.47 113.63,21.75 113.49,22.02 113.33,22.27 113.16,22.52 112.96,22.75 112.75,22.97 112.52,23.17 112.28,23.35 112.03,23.51 111.76,23.66 111.48,23.78 111.2,23.88 110.9,23.96 110.61,24.02 110.3,24.06 110,24.07 109.7,24.07 109.39,24.04 109.09,23.98 108.8,23.91 108.51,23.81 108.22,23.69 107.95,23.55 107.69,23.39 107.44,23.21 107.21,23.01 106.99,22.79 106.79,22.56 106.6,22.32 106.43,22.06 106.29,21.79 106.16,21.51 106.06,21.22 105.97,20.92 105.91,20.62 105.88,20.31 105.86,20 105.87,19.69 105.9,19.38 105.96,19.08 106.03,18.78 106.13,18.48 106.26,18.2 106.4,17.92 106.56,17.66 106.74,17.4 106.95,17.17 107.16,16.94 107.4,16.74 107.65,16.55 107.91,16.38 108.19,16.23 108.47,16.1 108.77,16 109.07,15.91 109.37,15.85 109.69,15.81 110,15.8 110.3,15.81 110.6,15.84 110.89,15.89 111.19,15.96 111.47,16.05 111.75,16.16 112.02,16.3 112.28,16.45 112.53,16.62 112.77,16.8 112.99,17.01 113.2,17.23 113.39,17.46 113.57,17.71 113.72,17.97 113.86,18.24 113.98,18.52 114.08,18.8 114.16,19.1 114.21,19.39 114.25,19.7 114.26,20 114.25,20.3 114.22,20.61 114.17,20.91 114.1,21.2 114.01,21.49 113.89,21.78 113.76,22.05 113.6,22.32 113.43,22.57 113.24,22.81 113.04,23.04 112.81,23.25 112.58,23.44 112.33,23.62 112.06,23.78 111.79,23.92 111.51,24.04 111.22,24.14 110.92,24.22 110.61,24.28 110.31,24.31 110,24.32 109.69,24.32 109.38,24.29 109.08,24.23 108.78,24.16 108.48,24.07 108.2,23.95 107.92,23.81 107.65,23.66 107.39,23.48 107.15,23.29 106.92,23.08 106.71,22.85 106.51,22.61 106.33,22.36 106.17,22.09 106.02,21.82 105.9,21.53 105.8,21.23 105.72,20.93 105.66,20.62 105.63,20.31 105.61,20 105.62,19.69 105.65,19.37 105.7,19.07 105.78,18.76 105.88,18.46 105.99,18.17 106.13,17.89 106.29,17.62 106.47,17.36 106.66,17.11 106.88,16.88 107.1,16.66 107.35,16.46 107.61,16.28 107.88,16.11 108.16,15.97 108.45,15.84 108.75,15.74 109.06,15.66 109.37,15.6 109.68,15.56 110,15.55 111.45,15.55
  Back w0.25: 111.45,120.55 113.65,120.55 116.35,123.25 REF**#127.2 ; 111.45,105.55 113.65,105.55 116.35,108.25 REF**#73.2 ; 111.45,90.55 113.65,90.55 116.35,93.25 REF**#74.2 ; 111.45,75.55 113.65,75.55 116.35,78.25 REF**#75.2 ; 111.45,60.55 113.65,60.55 116.35,63.25 REF**#76.2 ; 111.45,45.55 113.65,45.55 116.35,48.25 REF**#77.2 ; 111.45,30.55 113.65,30.55 116.35,33.25 REF**#78.2 ; 111.45,15.55 113.65,15.55 116.35,18.25 REF**#79.2
  Back w0.5: REF**#120.1 REF**#127.2 ; REF**#80.1 REF**#73.2 ; REF**#81.1 REF**#74.2 ; REF**#82.1 REF**#75.2 ; REF**#83.1 REF**#76.2 ; REF**#84.1 REF**#77.2 ; REF**#85.1 REF**#78.2 ; REF**#86.1 REF**#79.2
  vias: v1(109.6,124) v1(109.6,109) v1(109.6,94) v1(109.6,79) v1(109.6,64) v1(109.6,49) v1(109.6,34) v1(109.6,19) v1(110.4,124) v1(110.4,109) v1(110.4,94) v1(110.4,79) v1(110.4,64) v1(110.4,49) v1(110.4,34) v1(110.4,19)
